# Altium PCB 滑板车模块 - 拼板.PcbDoc (part 2 of 8)
Units mm, origin at the board's own origin, x right, y up, seen from the top; angles counter-clockwise.
Board outline 16 x 13 mm, 2 copper layers (Top Layer, Bottom Layer); 420 components, 26 nets, 2088 pads, 620 vias.
Unrouted connection lines stored in the file: 114.
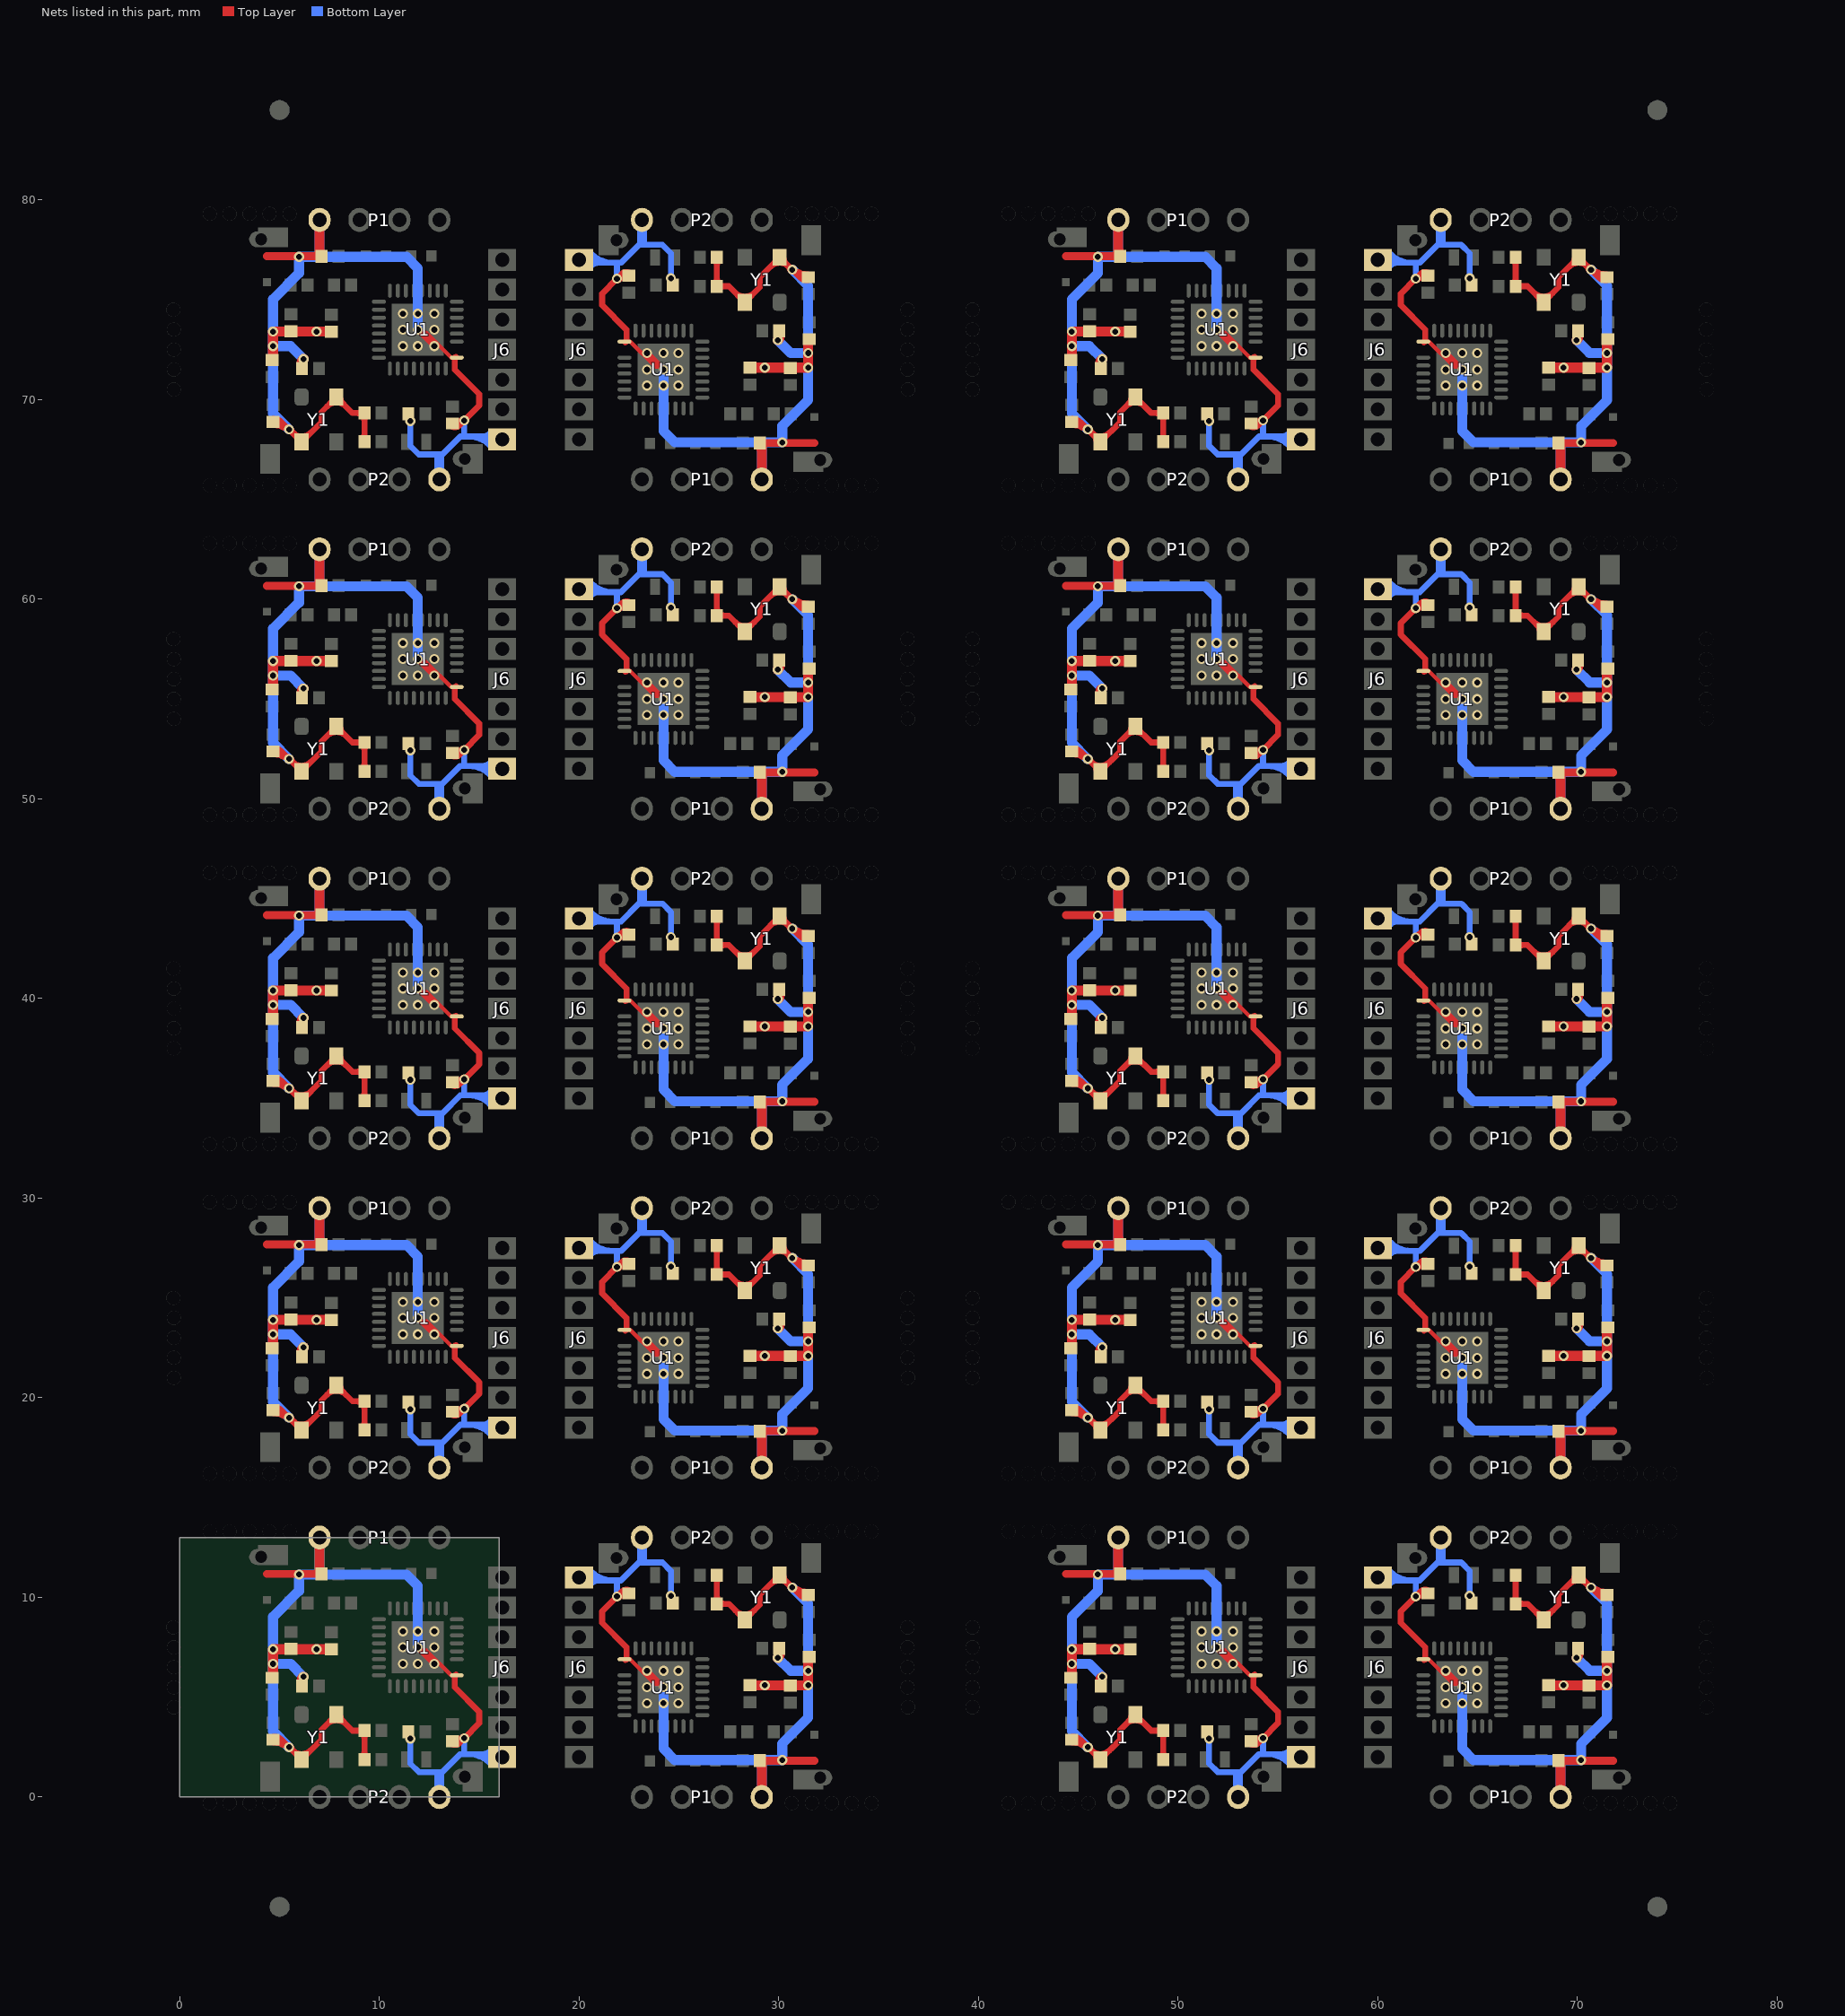
[diagram p2: the nets of this part, all layers, seen from the top]

## Via types
v1: diameter 0.5, hole 0.3, Top Layer to Bottom Layer, tented both sides, 620 vias

## Nets (pads, with @x,y where several pads share a name; then routed paths per layer and width w, separated by ;. In a path a pad name is that pad's centre, name@x,y a point inside that pad or via, vN(x,y) a via of type N, cw(c..) or ccw(c..) an arc to the next point about the centre after c; other vN are vias at no path point) (continued)
GND: C1.1 C2.2 C3.2 C4.1 C5.1 C6.2 C7.1 C9.2 C10.2 C12.2 J6.7 P1.4 P2.1 U1.25 XX1.2 Y1.2 Y1.4 | length 1444.6
  Top Layer w0.2: C7.1@6.034,5.753 ccw(c5.894,6.025) v1(6.2,6.025) 6.2,5.625 C7.1@6.125,5.55 ; C7.1@6.034,22.253 ccw(c5.894,22.525) v1(6.2,22.525) 6.2,22.125 C7.1@6.125,22.05 ; C7.1@6.034,38.753 ccw(c5.894,39.025) v1(6.2,39.025) 6.2,38.625 C7.1@6.125,38.55 ; C7.1@6.034,55.253 ccw(c5.894,55.525) v1(6.2,55.525) 6.2,55.125 C7.1@6.125,55.05 ; C7.1@6.034,71.753 ccw(c5.894,72.025) v1(6.2,72.025) 6.2,71.625 C7.1@6.125,71.55 ; v1@6.094,5.919 cw(c5.838,5.663) 6.2,5.663 cw(c6.562,5.663) v1@6.306,5.919 ; v1@6.094,22.419 cw(c5.838,22.163) 6.2,22.163 cw(c6.562,22.163) v1@6.306,22.419 ; v1@6.094,38.919 cw(c5.838,38.663) 6.2,38.663 cw(c6.562,38.663) v1@6.306,38.919 ; v1@6.094,55.419 cw(c5.838,55.163) 6.2,55.163 cw(c6.562,55.163) v1@6.306,55.419 ; v1@6.094,71.919 cw(c5.838,71.663) 6.2,71.663 cw(c6.562,71.663) v1@6.306,71.919 ; v1@6.2,5.877 ccw(c6.427,5.877) C7.1@6.266,5.716 ; v1@6.2,22.377 ccw(c6.427,22.377) C7.1@6.266,22.216 ; v1@6.2,38.877 ccw(c6.427,38.877) C7.1@6.266,38.716 ; v1@6.2,55.377 ccw(c6.427,55.377) C7.1@6.266,55.216 ; v1@6.2,71.877 ccw(c6.427,71.877) C7.1@6.266,71.716 ; v1(11.925,7.5) 12.075,7.35 12.341,7.35 13.591,6.1 13.775,6.1 U1.25@13.875,6.1 ; v1(11.925,24) 12.075,23.85 12.341,23.85 13.591,22.6 13.775,22.6 U1.25@13.875,22.6 ; v1(11.925,40.5) 12.075,40.35 12.341,40.35 13.591,39.1 13.775,39.1 U1.25@13.875,39.1 ; v1(11.925,57) 12.075,56.85 12.341,56.85 13.591,55.6 13.775,55.6 U1.25@13.875,55.6 ; v1(11.925,73.5) 12.075,73.35 12.341,73.35 13.591,72.1 13.775,72.1 U1.25@13.875,72.1 ; U1.25@22.275,6.9 22.375,6.9 22.559,6.9 23.809,5.65 24.075,5.65 v1(24.225,5.5) ; U1.25@22.275,23.4 22.375,23.4 22.559,23.4 23.809,22.15 24.075,22.15 v1(24.225,22) ; U1.25@22.275,39.9 22.375,39.9 22.559,39.9 23.809,38.65 24.075,38.65 v1(24.225,38.5) ; U1.25@22.275,56.4 22.375,56.4 22.559,56.4 23.809,55.15 24.075,55.15 v1(24.225,55) ; U1.25@22.275,72.9 22.375,72.9 22.559,72.9 23.809,71.65 24.075,71.65 v1(24.225,71.5) ; v1@29.844,7.081 ccw(c29.588,7.337) 29.95,7.337 ccw(c30.312,7.337) v1@30.056,7.081 ; v1@29.844,23.581 ccw(c29.588,23.837) 29.95,23.837 ccw(c30.312,23.837) v1@30.056,23.581 ; v1@29.844,40.081 ccw(c29.588,40.337) 29.95,40.337 ccw(c30.312,40.337) v1@30.056,40.081 ; v1@29.844,56.581 ccw(c29.588,56.837) 29.95,56.837 ccw(c30.312,56.837) v1@30.056,56.581 ; v1@29.844,73.081 ccw(c29.588,73.337) 29.95,73.337 ccw(c30.312,73.337) v1@30.056,73.081 ; C7.1@29.884,7.284 cw(c29.723,7.123) v1@29.95,7.123 ; C7.1@29.884,23.784 cw(c29.723,23.623) v1@29.95,23.623 ; C7.1@29.884,40.284 cw(c29.723,40.123) v1@29.95,40.123 ; C7.1@29.884,56.784 cw(c29.723,56.623) v1@29.95,56.623 ; C7.1@29.884,73.284 cw(c29.723,73.123) v1@29.95,73.123 ; C7.1@30.025,7.45 29.95,7.375 v1(29.95,6.975) cw(c30.256,6.975) C7.1@30.116,7.247 ; C7.1@30.025,23.95 29.95,23.875 v1(29.95,23.475) cw(c30.256,23.475) C7.1@30.116,23.747 ; C7.1@30.025,40.45 29.95,40.375 v1(29.95,39.975) cw(c30.256,39.975) C7.1@30.116,40.247 ; C7.1@30.025,56.95 29.95,56.875 v1(29.95,56.475) cw(c30.256,56.475) C7.1@30.116,56.747 ; C7.1@30.025,73.45 29.95,73.375 v1(29.95,72.975) cw(c30.256,72.975) C7.1@30.116,73.247 ; C7.1@46.034,5.753 ccw(c45.894,6.025) v1(46.2,6.025) 46.2,5.625 C7.1@46.125,5.55 ; C7.1@46.034,22.253 ccw(c45.894,22.525) v1(46.2,22.525) 46.2,22.125 C7.1@46.125,22.05 ; C7.1@46.034,38.753 ccw(c45.894,39.025) v1(46.2,39.025) 46.2,38.625 C7.1@46.125,38.55 ; C7.1@46.034,55.253 ccw(c45.894,55.525) v1(46.2,55.525) 46.2,55.125 C7.1@46.125,55.05 ; C7.1@46.034,71.753 ccw(c45.894,72.025) v1(46.2,72.025) 46.2,71.625 C7.1@46.125,71.55 ; v1@46.094,5.919 cw(c45.838,5.663) 46.2,5.663 cw(c46.562,5.663) v1@46.306,5.919 ; v1@46.094,22.419 cw(c45.838,22.163) 46.2,22.163 cw(c46.562,22.163) v1@46.306,22.419 ; v1@46.094,38.919 cw(c45.838,38.663) 46.2,38.663 cw(c46.562,38.663) v1@46.306,38.919 ; v1@46.094,55.419 cw(c45.838,55.163) 46.2,55.163 cw(c46.562,55.163) v1@46.306,55.419 ; v1@46.094,71.919 cw(c45.838,71.663) 46.2,71.663 cw(c46.562,71.663) v1@46.306,71.919 ; v1@46.2,5.877 ccw(c46.427,5.877) C7.1@46.266,5.716 ; v1@46.2,22.377 ccw(c46.427,22.377) C7.1@46.266,22.216 ; v1@46.2,38.877 ccw(c46.427,38.877) C7.1@46.266,38.716 ; v1@46.2,55.377 ccw(c46.427,55.377) C7.1@46.266,55.216 ; v1@46.2,71.877 ccw(c46.427,71.877) C7.1@46.266,71.716 ; v1(51.925,7.5) 52.075,7.35 52.341,7.35 53.591,6.1 53.775,6.1 U1.25@53.875,6.1 ; v1(51.925,24) 52.075,23.85 52.341,23.85 53.591,22.6 53.775,22.6 U1.25@53.875,22.6 ; v1(51.925,40.5) 52.075,40.35 52.341,40.35 53.591,39.1 53.775,39.1 U1.25@53.875,39.1 ; v1(51.925,57) 52.075,56.85 52.341,56.85 53.591,55.6 53.775,55.6 U1.25@53.875,55.6 ; v1(51.925,73.5) 52.075,73.35 52.341,73.35 53.591,72.1 53.775,72.1 U1.25@53.875,72.1 ; U1.25@62.275,6.9 62.375,6.9 62.559,6.9 63.809,5.65 64.075,5.65 v1(64.225,5.5) ; U1.25@62.275,23.4 62.375,23.4 62.559,23.4 63.809,22.15 64.075,22.15 v1(64.225,22) ; U1.25@62.275,39.9 62.375,39.9 62.559,39.9 63.809,38.65 64.075,38.65 v1(64.225,38.5) ; U1.25@62.275,56.4 62.375,56.4 62.559,56.4 63.809,55.15 64.075,55.15 v1(64.225,55) ; U1.25@62.275,72.9 62.375,72.9 62.559,72.9 63.809,71.65 64.075,71.65 v1(64.225,71.5) ; v1@69.844,7.081 ccw(c69.588,7.337) 69.95,7.337 ccw(c70.312,7.337) v1@70.056,7.081 ; v1@69.844,23.581 ccw(c69.588,23.837) 69.95,23.837 ccw(c70.312,23.837) v1@70.056,23.581 ; v1@69.844,40.081 ccw(c69.588,40.337) 69.95,40.337 ccw(c70.312,40.337) v1@70.056,40.081 ; v1@69.844,56.581 ccw(c69.588,56.837) 69.95,56.837 ccw(c70.312,56.837) v1@70.056,56.581 ; v1@69.844,73.081 ccw(c69.588,73.337) 69.95,73.337 ccw(c70.312,73.337) v1@70.056,73.081 ; C7.1@69.884,7.284 cw(c69.723,7.123) v1@69.95,7.123 ; C7.1@69.884,23.784 cw(c69.723,23.623) v1@69.95,23.623 ; C7.1@69.884,40.284 cw(c69.723,40.123) v1@69.95,40.123 ; C7.1@69.884,56.784 cw(c69.723,56.623) v1@69.95,56.623 ; C7.1@69.884,73.284 cw(c69.723,73.123) v1@69.95,73.123 ; C7.1@70.025,7.45 69.95,7.375 v1(69.95,6.975) cw(c70.256,6.975) C7.1@70.116,7.247 ; C7.1@70.025,23.95 69.95,23.875 v1(69.95,23.475) cw(c70.256,23.475) C7.1@70.116,23.747 ; C7.1@70.025,40.45 69.95,40.375 v1(69.95,39.975) cw(c70.256,39.975) C7.1@70.116,40.247 ; C7.1@70.025,56.95 69.95,56.875 v1(69.95,56.475) cw(c70.256,56.475) C7.1@70.116,56.747 ; C7.1@70.025,73.45 69.95,73.375 v1(69.95,72.975) cw(c70.256,72.975) C7.1@70.116,73.247
  Top Layer w0.3: C3.2@4.675,2.875 5.1,2.875 Y1.2@6.1,1.875 7.1,2.875 7.1,3.375 Y1.4@7.85,4.125 8.65,3.325 C5.1@9.25,3.325 C1.1@9.25,1.885 ; C3.2@4.675,19.375 5.1,19.375 Y1.2@6.1,18.375 7.1,19.375 7.1,19.875 Y1.4@7.85,20.625 8.65,19.825 C5.1@9.25,19.825 C1.1@9.25,18.385 ; C3.2@4.675,35.875 5.1,35.875 Y1.2@6.1,34.875 7.1,35.875 7.1,36.375 Y1.4@7.85,37.125 8.65,36.325 C5.1@9.25,36.325 C1.1@9.25,34.885 ; C3.2@4.675,52.375 5.1,52.375 Y1.2@6.1,51.375 7.1,52.375 7.1,52.875 Y1.4@7.85,53.625 8.65,52.825 C5.1@9.25,52.825 C1.1@9.25,51.385 ; C3.2@4.675,68.875 5.1,68.875 Y1.2@6.1,67.875 7.1,68.875 7.1,69.375 Y1.4@7.85,70.125 8.65,69.325 C5.1@9.25,69.325 C1.1@9.25,67.885 ; C3.2@4.7,2.725 cw(c4.7,1.397) v1@5.639,2.336 ; C3.2@4.7,3.025 cw(c4.7,2.421) 5.127,2.848 ; C3.2@4.7,19.225 cw(c4.7,17.897) v1@5.639,18.836 ; C3.2@4.7,19.525 cw(c4.7,18.921) 5.127,19.348 ; C3.2@4.7,35.725 cw(c4.7,34.397) v1@5.639,35.336 ; C3.2@4.7,36.025 cw(c4.7,35.421) 5.127,35.848 ; C3.2@4.7,52.225 cw(c4.7,50.897) v1@5.639,51.836 ; C3.2@4.7,52.525 cw(c4.7,51.921) 5.127,52.348 ; C3.2@4.7,68.725 cw(c4.7,67.397) v1@5.639,68.336 ; C3.2@4.7,69.025 cw(c4.7,68.421) 5.127,68.848 ; C3.2@4.806,2.769 cw(c5.062,2.513) 5.062,2.875 cw(c5.062,3.237) C3.2@4.806,2.981 ; C3.2@4.806,19.269 cw(c5.062,19.013) 5.062,19.375 cw(c5.062,19.737) C3.2@4.806,19.481 ; C3.2@4.806,35.769 cw(c5.062,35.513) 5.062,35.875 cw(c5.062,36.237) C3.2@4.806,35.981 ; C3.2@4.806,52.269 cw(c5.062,52.013) 5.062,52.375 cw(c5.062,52.737) C3.2@4.806,52.481 ; C3.2@4.806,68.769 cw(c5.062,68.513) 5.062,68.875 cw(c5.062,69.237) C3.2@4.806,68.981 ; 5.11,2.641 ccw(c5.334,3.028) v1@5.449,2.597 ; 5.11,19.141 ccw(c5.334,19.528) v1@5.449,19.097 ; 5.11,35.641 ccw(c5.334,36.028) v1@5.449,35.597 ; 5.11,52.141 ccw(c5.334,52.528) v1@5.449,52.097 ; 5.11,68.641 ccw(c5.334,69.028) v1@5.449,68.597 ; v1@5.572,2.526 ccw(c5.993,2.639) Y1.2@5.775,2.261 ; v1@5.572,19.026 ccw(c5.993,19.139) Y1.2@5.775,18.761 ; v1@5.572,35.526 ccw(c5.993,35.639) Y1.2@5.775,35.261 ; v1@5.572,52.026 ccw(c5.993,52.139) Y1.2@5.775,51.761 ; v1@5.572,68.526 ccw(c5.993,68.639) Y1.2@5.775,68.261 ; v1@5.631,2.344 ccw(c6.1,2.814) 6.1,2.15 ccw(c6.1,2.814) 6.569,2.344 ; v1@5.631,18.844 ccw(c6.1,19.314) 6.1,18.65 ccw(c6.1,19.314) 6.569,18.844 ; v1@5.631,35.344 ccw(c6.1,35.814) 6.1,35.15 ccw(c6.1,35.814) 6.569,35.344 ; v1@5.631,51.844 ccw(c6.1,52.314) 6.1,51.65 ccw(c6.1,52.314) 6.569,51.844 ; v1@5.631,68.344 ccw(c6.1,68.814) 6.1,68.15 ccw(c6.1,68.814) 6.569,68.344 ; Y1.2@5.812,2.163 cw(c5.598,1.95) Y1.2@5.9,1.95 ; Y1.2@5.812,18.663 cw(c5.598,18.45) Y1.2@5.9,18.45 ; Y1.2@5.812,35.163 cw(c5.598,34.95) Y1.2@5.9,34.95 ; Y1.2@5.812,51.663 cw(c5.598,51.45) Y1.2@5.9,51.45 ; Y1.2@5.812,68.163 cw(c5.598,67.95) Y1.2@5.9,67.95 ; Y1.2@6.3,1.95 cw(c6.602,1.95) Y1.2@6.388,2.163 ; Y1.2@6.3,18.45 cw(c6.602,18.45) Y1.2@6.388,18.663 ; Y1.2@6.3,34.95 cw(c6.602,34.95) Y1.2@6.388,35.163 ; Y1.2@6.3,51.45 cw(c6.602,51.45) Y1.2@6.388,51.663 ; Y1.2@6.3,67.95 cw(c6.602,67.95) Y1.2@6.388,68.163 ; 7.381,3.656 cw(c7.85,3.186) 7.85,3.85 cw(c7.85,3.186) 8.319,3.656 ; 7.381,20.156 cw(c7.85,19.686) 7.85,20.35 cw(c7.85,19.686) 8.319,20.156 ; 7.381,36.656 cw(c7.85,36.186) 7.85,36.85 cw(c7.85,36.186) 8.319,36.656 ; 7.381,53.156 cw(c7.85,52.686) 7.85,53.35 cw(c7.85,52.686) 8.319,53.156 ; 7.381,69.656 cw(c7.85,69.186) 7.85,69.85 cw(c7.85,69.186) 8.319,69.656 ; Y1.4@7.562,3.837 ccw(c7.348,4.05) Y1.4@7.65,4.05 ; Y1.4@7.562,20.337 ccw(c7.348,20.55) Y1.4@7.65,20.55 ; Y1.4@7.562,36.837 ccw(c7.348,37.05) Y1.4@7.65,37.05 ; Y1.4@7.562,53.337 ccw(c7.348,53.55) Y1.4@7.65,53.55 ; Y1.4@7.562,69.837 ccw(c7.348,70.05) Y1.4@7.65,70.05 ; Y1.4@8.05,4.05 ccw(c8.352,4.05) Y1.4@8.138,3.837 ; Y1.4@8.05,20.55 ccw(c8.352,20.55) Y1.4@8.138,20.337 ; Y1.4@8.05,37.05 ccw(c8.352,37.05) Y1.4@8.138,36.837 ; Y1.4@8.05,53.55 ccw(c8.352,53.55) Y1.4@8.138,53.337 ; Y1.4@8.05,70.05 ccw(c8.352,70.05) Y1.4@8.138,69.837 ; C1.1@9.144,2.016 ccw(c8.888,2.272) 9.25,2.272 ccw(c9.612,2.272) C1.1@9.356,2.016 ; C5.1@9.144,3.194 cw(c8.888,2.938) 9.25,2.938 cw(c9.612,2.938) C5.1@9.356,3.194 ; C5.1@9.144,3.219 ccw(c8.888,2.963) 8.888,3.325 ccw(c8.888,3.687) C5.1@9.144,3.431 ; C1.1@9.144,18.516 ccw(c8.888,18.772) 9.25,18.772 ccw(c9.612,18.772) C1.1@9.356,18.516 ; C5.1@9.144,19.694 cw(c8.888,19.438) 9.25,19.438 cw(c9.612,19.438) C5.1@9.356,19.694 ; C5.1@9.144,19.719 ccw(c8.888,19.463) 8.888,19.825 ccw(c8.888,20.187) C5.1@9.144,19.931 ; C1.1@9.144,35.016 ccw(c8.888,35.272) 9.25,35.272 ccw(c9.612,35.272) C1.1@9.356,35.016 ; C5.1@9.144,36.194 cw(c8.888,35.938) 9.25,35.938 cw(c9.612,35.938) C5.1@9.356,36.194 ; C5.1@9.144,36.219 ccw(c8.888,35.963) 8.888,36.325 ccw(c8.888,36.687) C5.1@9.144,36.431 ; C1.1@9.144,51.516 ccw(c8.888,51.772) 9.25,51.772 ccw(c9.612,51.772) C1.1@9.356,51.516 ; C5.1@9.144,52.694 cw(c8.888,52.438) 9.25,52.438 cw(c9.612,52.438) C5.1@9.356,52.694 ; C5.1@9.144,52.719 ccw(c8.888,52.463) 8.888,52.825 ccw(c8.888,53.187) C5.1@9.144,52.931 ; C1.1@9.144,68.016 ccw(c8.888,68.272) 9.25,68.272 ccw(c9.612,68.272) C1.1@9.356,68.016 ; C5.1@9.144,69.194 cw(c8.888,68.938) 9.25,68.938 cw(c9.612,68.938) C5.1@9.356,69.194 ; C5.1@9.144,69.219 ccw(c8.888,68.963) 8.888,69.325 ccw(c8.888,69.687) C5.1@9.144,69.431 ; v1@12.075,7.35 v1(12.75,6.675) ; v1@12.075,23.85 v1(12.75,23.175) ; v1@12.075,40.35 v1(12.75,39.675) ; v1@12.075,56.85 v1(12.75,56.175) ; v1@12.075,73.35 v1(12.75,72.675) ; C2.2@13.583,2.681 ccw(c13.781,2.937) 14.009,2.709 ; C2.2@13.583,19.181 ccw(c13.781,19.437) 14.009,19.209 ; C2.2@13.583,35.681 ccw(c13.781,35.937) 14.009,35.709 ; C2.2@13.583,52.181 ccw(c13.781,52.437) 14.009,52.209 ; C2.2@13.583,68.681 ccw(c13.781,68.937) 14.009,68.709 ; C2.2@13.767,2.919 ccw(c13.991,3.21) v1(14.251,2.95) ; C2.2@13.767,19.419 ccw(c13.991,19.71) v1(14.251,19.45) ; C2.2@13.767,35.919 ccw(c13.991,36.21) v1(14.251,35.95) ; C2.2@13.767,52.419 ccw(c13.991,52.71) v1(14.251,52.45) ; C2.2@13.767,68.919 ccw(c13.991,69.21) v1(14.251,68.95) ; 13.775,5.979 cw(c13.996,5.979) U1.25@13.84,6.135 ; U1.25@13.775,6.1 13.775,5.5 15,4.275 15,3.699 v1(14.251,2.95) ; 13.775,22.479 cw(c13.996,22.479) U1.25@13.84,22.635 ; U1.25@13.775,22.6 13.775,22 15,20.775 15,20.199 v1(14.251,19.45) ; 13.775,38.979 cw(c13.996,38.979) U1.25@13.84,39.135 ; U1.25@13.775,39.1 13.775,38.5 15,37.275 15,36.699 v1(14.251,35.95) ; 13.775,55.479 cw(c13.996,55.479) U1.25@13.84,55.635 ; U1.25@13.775,55.6 13.775,55 15,53.775 15,53.199 v1(14.251,52.45) ; 13.775,71.979 cw(c13.996,71.979) U1.25@13.84,72.135 ; U1.25@13.775,72.1 13.775,71.5 15,70.275 15,69.699 v1(14.251,68.95) 14.101,68.8 C2.2@13.65,68.8 ccw(c13.65,69.546) v1@14.18,69.021 ; C2.2@13.781,2.694 cw(c14.037,2.438) 14.037,2.8 cw(c14.037,3.162) C2.2@13.781,2.906 ; C2.2@13.781,19.194 cw(c14.037,18.938) 14.037,19.3 cw(c14.037,19.662) C2.2@13.781,19.406 ; C2.2@13.781,35.694 cw(c14.037,35.438) 14.037,35.8 cw(c14.037,36.162) C2.2@13.781,35.906 ; C2.2@13.781,52.194 cw(c14.037,51.938) 14.037,52.3 cw(c14.037,52.662) C2.2@13.781,52.406 ; C2.2@13.781,68.694 cw(c14.037,68.438) 14.037,68.8 cw(c14.037,69.162) C2.2@13.781,68.906 ; C2.2@13.831,2.745 ccw(c13.69,3.274) v1@14.164,3 ; C2.2@13.831,19.245 ccw(c13.69,19.774) v1@14.164,19.5 ; C2.2@13.831,35.745 ccw(c13.69,36.274) v1@14.164,36 ; C2.2@13.831,52.245 ccw(c13.69,52.774) v1@14.164,52.5 ; C2.2@13.831,68.745 ccw(c13.69,69.274) v1@14.164,69 ; C2.2@13.887,2.76 ccw(c13.779,3.163) v1@14.16,2.991 ; C2.2@13.887,19.26 ccw(c13.779,19.663) v1@14.16,19.491 ; C2.2@13.887,35.76 ccw(c13.779,36.163) v1@14.16,35.991 ; C2.2@13.887,52.26 ccw(c13.779,52.663) v1@14.16,52.491 ; C2.2@13.887,68.76 ccw(c13.779,69.163) v1@14.16,68.991 ; C2.2@13.901,2.646 ccw(c13.629,3.117) v1@14.154,2.976 ; C2.2@13.901,19.146 ccw(c13.629,19.617) v1@14.154,19.476 ; C2.2@13.901,35.646 ccw(c13.629,36.117) v1@14.154,35.976 ; C2.2@13.901,52.146 ccw(c13.629,52.617) v1@14.154,52.476 ; C2.2@13.901,68.646 ccw(c13.629,69.117) v1@14.154,68.976 ; C2.2@13.965,2.683 ccw(c13.775,3.012) v1@14.152,2.963 ; C2.2@13.965,19.183 ccw(c13.775,19.512) v1@14.152,19.463 ; C2.2@13.965,35.683 ccw(c13.775,36.012) v1@14.152,35.963 ; C2.2@13.965,52.183 ccw(c13.775,52.512) v1@14.152,52.463 ; C2.2@13.965,68.683 ccw(c13.775,69.012) v1@14.152,68.963 ; v1@14.18,3.021 cw(c13.65,3.546) C2.2@13.65,2.8 14.101,2.8 v1(14.251,2.95) ; v1@14.18,19.521 cw(c13.65,20.046) C2.2@13.65,19.3 14.101,19.3 v1(14.251,19.45) ; v1@14.18,36.021 cw(c13.65,36.546) C2.2@13.65,35.8 14.101,35.8 v1(14.251,35.95) ; v1@14.18,52.521 cw(c13.65,53.046) C2.2@13.65,52.3 14.101,52.3 v1(14.251,52.45) ; v1@21.97,9.979 cw(c22.5,9.454) C2.2@22.5,10.2 22.049,10.2 v1(21.899,10.05) ; v1@21.97,26.479 cw(c22.5,25.954) C2.2@22.5,26.7 22.049,26.7 v1(21.899,26.55) ; v1@21.97,42.979 cw(c22.5,42.454) C2.2@22.5,43.2 22.049,43.2 v1(21.899,43.05) ; v1@21.97,59.479 cw(c22.5,58.954) C2.2@22.5,59.7 22.049,59.7 v1(21.899,59.55) ; v1@21.97,75.979 cw(c22.5,75.454) C2.2@22.5,76.2 22.049,76.2 v1(21.899,76.05) ; v1@21.986,10 cw(c22.46,9.726) C2.2@22.319,10.255 ; v1@21.986,26.5 cw(c22.46,26.226) C2.2@22.319,26.755 ; v1@21.986,43 cw(c22.46,42.726) C2.2@22.319,43.255 ; v1@21.986,59.5 cw(c22.46,59.226) C2.2@22.319,59.755 ; v1@21.986,76 cw(c22.46,75.726) C2.2@22.319,76.255 ; v1@21.99,10.009 cw(c22.371,9.837) C2.2@22.263,10.24 ; v1@21.99,26.509 cw(c22.371,26.337) C2.2@22.263,26.74 ; v1@21.99,43.009 cw(c22.371,42.837) C2.2@22.263,43.24 ; v1@21.99,59.509 cw(c22.371,59.337) C2.2@22.263,59.74 ; v1@21.99,76.009 cw(c22.371,75.837) C2.2@22.263,76.24 ; v1@21.996,10.024 cw(c22.521,9.883) C2.2@22.249,10.354 ; v1@21.996,26.524 cw(c22.521,26.383) C2.2@22.249,26.854 ; v1@21.996,43.024 cw(c22.521,42.883) C2.2@22.249,43.354 ; v1@21.996,59.524 cw(c22.521,59.383) C2.2@22.249,59.854 ; v1@21.996,76.024 cw(c22.521,75.883) C2.2@22.249,76.354 ; v1@21.998,10.037 cw(c22.375,9.988) C2.2@22.185,10.317 ; v1@21.998,26.537 cw(c22.375,26.488) C2.2@22.185,26.817 ; v1@21.998,43.037 cw(c22.375,42.988) C2.2@22.185,43.317 ; v1@21.998,59.537 cw(c22.375,59.488) C2.2@22.185,59.817 ; v1@21.998,76.037 cw(c22.375,75.988) C2.2@22.185,76.317 ; 22.141,10.291 cw(c22.369,10.063) C2.2@22.567,10.319 ; 22.141,26.791 cw(c22.369,26.563) C2.2@22.567,26.819 ; 22.141,43.291 cw(c22.369,43.063) C2.2@22.567,43.319 ; 22.141,59.791 cw(c22.369,59.563) C2.2@22.567,59.819 ; 22.141,76.291 cw(c22.369,76.063) C2.2@22.567,76.319 ; U1.25@22.31,6.865 ccw(c22.154,7.021) 22.375,7.021 ; U1.25@22.31,23.365 ccw(c22.154,23.521) 22.375,23.521 ; U1.25@22.31,39.865 ccw(c22.154,40.021) 22.375,40.021 ; U1.25@22.31,56.365 ccw(c22.154,56.521) 22.375,56.521 ; U1.25@22.31,72.865 ccw(c22.154,73.021) 22.375,73.021 ; C2.2@22.369,10.094 ccw(c22.113,9.838) 22.113,10.2 ccw(c22.113,10.562) C2.2@22.369,10.306 ; C2.2@22.369,26.594 ccw(c22.113,26.338) 22.113,26.7 ccw(c22.113,27.062) C2.2@22.369,26.806 ; C2.2@22.369,43.094 ccw(c22.113,42.838) 22.113,43.2 ccw(c22.113,43.562) C2.2@22.369,43.306 ; C2.2@22.369,59.594 ccw(c22.113,59.338) 22.113,59.7 ccw(c22.113,60.062) C2.2@22.369,59.806 ; C2.2@22.369,76.094 ccw(c22.113,75.838) 22.113,76.2 ccw(c22.113,76.562) C2.2@22.369,76.306 ; U1.25@22.375,6.9 22.375,7.5 21.15,8.725 21.15,9.301 v1(21.899,10.05) ; U1.25@22.375,23.4 22.375,24 21.15,25.225 21.15,25.801 v1(21.899,26.55) ; U1.25@22.375,39.9 22.375,40.5 21.15,41.725 21.15,42.301 v1(21.899,43.05) ; U1.25@22.375,56.4 22.375,57 21.15,58.225 21.15,58.801 v1(21.899,59.55) ; U1.25@22.375,72.9 22.375,73.5 21.15,74.725 21.15,75.301 v1(21.899,76.05) ; C2.2@22.383,10.081 ccw(c22.159,9.79) v1(21.899,10.05) ; C2.2@22.383,26.581 ccw(c22.159,26.29) v1(21.899,26.55) ; C2.2@22.383,43.081 ccw(c22.159,42.79) v1(21.899,43.05) ; C2.2@22.383,59.581 ccw(c22.159,59.29) v1(21.899,59.55) ; C2.2@22.383,76.081 ccw(c22.159,75.79) v1(21.899,76.05) ; v1(23.4,6.325) v1@24.075,5.65 ; v1(23.4,22.825) v1@24.075,22.15 ; v1(23.4,39.325) v1@24.075,38.65 ; v1(23.4,55.825) v1@24.075,55.15 ; v1(23.4,72.325) v1@24.075,71.65 ; C5.1@26.794,9.806 ccw(c26.538,10.062) 26.9,10.062 ccw(c27.262,10.062) C5.1@27.006,9.806 ; C1.1@26.794,10.984 cw(c26.538,10.728) 26.9,10.728 cw(c27.262,10.728) C1.1@27.006,10.984 ; C5.1@26.794,26.306 ccw(c26.538,26.562) 26.9,26.562 ccw(c27.262,26.562) C5.1@27.006,26.306 ; C1.1@26.794,27.484 cw(c26.538,27.228) 26.9,27.228 cw(c27.262,27.228) C1.1@27.006,27.484 ; C5.1@26.794,42.806 ccw(c26.538,43.062) 26.9,43.062 ccw(c27.262,43.062) C5.1@27.006,42.806 ; C1.1@26.794,43.984 cw(c26.538,43.728) 26.9,43.728 cw(c27.262,43.728) C1.1@27.006,43.984 ; C5.1@26.794,59.306 ccw(c26.538,59.562) 26.9,59.562 ccw(c27.262,59.562) C5.1@27.006,59.306 ; C1.1@26.794,60.484 cw(c26.538,60.228) 26.9,60.228 cw(c27.262,60.228) C1.1@27.006,60.484 ; C5.1@26.794,75.806 ccw(c26.538,76.062) 26.9,76.062 ccw(c27.262,76.062) C5.1@27.006,75.806 ; C1.1@26.794,76.984 cw(c26.538,76.728) 26.9,76.728 cw(c27.262,76.728) C1.1@27.006,76.984 ; C1.1@26.9,11.115 C5.1@26.9,9.675 27.5,9.675 Y1.4@28.3,8.875 29.05,9.625 29.05,10.125 Y1.2@30.05,11.125 31.05,10.125 C3.2@31.475,10.125 ; C1.1@26.9,27.615 C5.1@26.9,26.175 27.5,26.175 Y1.4@28.3,25.375 29.05,26.125 29.05,26.625 Y1.2@30.05,27.625 31.05,26.625 C3.2@31.475,26.625 ; C1.1@26.9,44.115 C5.1@26.9,42.675 27.5,42.675 Y1.4@28.3,41.875 29.05,42.625 29.05,43.125 Y1.2@30.05,44.125 31.05,43.125 C3.2@31.475,43.125 ; C1.1@26.9,60.615 C5.1@26.9,59.175 27.5,59.175 Y1.4@28.3,58.375 29.05,59.125 29.05,59.625 Y1.2@30.05,60.625 31.05,59.625 C3.2@31.475,59.625 ; C1.1@26.9,77.115 C5.1@26.9,75.675 27.5,75.675 Y1.4@28.3,74.875 29.05,75.625 29.05,76.125 Y1.2@30.05,77.125 31.05,76.125 C3.2@31.475,76.125 ; C5.1@27.006,9.569 cw(c27.262,9.313) 27.262,9.675 cw(c27.262,10.037) C5.1@27.006,9.781 ; C5.1@27.006,26.069 cw(c27.262,25.813) 27.262,26.175 cw(c27.262,26.537) C5.1@27.006,26.281 ; C5.1@27.006,42.569 cw(c27.262,42.313) 27.262,42.675 cw(c27.262,43.037) C5.1@27.006,42.781 ; C5.1@27.006,59.069 cw(c27.262,58.813) 27.262,59.175 cw(c27.262,59.537) C5.1@27.006,59.281 ; C5.1@27.006,75.569 cw(c27.262,75.313) 27.262,75.675 cw(c27.262,76.037) C5.1@27.006,75.781 ; 27.831,9.344 ccw(c28.3,9.814) 28.3,9.15 ccw(c28.3,9.814) 28.769,9.344 ; 27.831,25.844 ccw(c28.3,26.314) 28.3,25.65 ccw(c28.3,26.314) 28.769,25.844 ; 27.831,42.344 ccw(c28.3,42.814) 28.3,42.15 ccw(c28.3,42.814) 28.769,42.344 ; 27.831,58.844 ccw(c28.3,59.314) 28.3,58.65 ccw(c28.3,59.314) 28.769,58.844 ; 27.831,75.344 ccw(c28.3,75.814) 28.3,75.15 ccw(c28.3,75.814) 28.769,75.344 ; Y1.4@28.012,9.163 cw(c27.798,8.95) Y1.4@28.1,8.95 ; Y1.4@28.012,25.663 cw(c27.798,25.45) Y1.4@28.1,25.45 ; Y1.4@28.012,42.163 cw(c27.798,41.95) Y1.4@28.1,41.95 ; Y1.4@28.012,58.663 cw(c27.798,58.45) Y1.4@28.1,58.45 ; Y1.4@28.012,75.163 cw(c27.798,74.95) Y1.4@28.1,74.95 ; Y1.4@28.5,8.95 cw(c28.802,8.95) Y1.4@28.588,9.163 ; Y1.4@28.5,25.45 cw(c28.802,25.45) Y1.4@28.588,25.663 ; Y1.4@28.5,41.95 cw(c28.802,41.95) Y1.4@28.588,42.163 ; Y1.4@28.5,58.45 cw(c28.802,58.45) Y1.4@28.588,58.663 ; Y1.4@28.5,74.95 cw(c28.802,74.95) Y1.4@28.588,75.163 ; 29.581,10.656 cw(c30.05,10.186) 30.05,10.85 cw(c30.05,10.186) v1@30.519,10.656 ; 29.581,27.156 cw(c30.05,26.686) 30.05,27.35 cw(c30.05,26.686) v1@30.519,27.156 ; 29.581,43.656 cw(c30.05,43.186) 30.05,43.85 cw(c30.05,43.186) v1@30.519,43.656 ; 29.581,60.156 cw(c30.05,59.686) 30.05,60.35 cw(c30.05,59.686) v1@30.519,60.156 ; 29.581,76.656 cw(c30.05,76.186) 30.05,76.85 cw(c30.05,76.186) v1@30.519,76.656 ; Y1.2@29.762,10.837 ccw(c29.548,11.05) Y1.2@29.85,11.05 ; Y1.2@29.762,27.337 ccw(c29.548,27.55) Y1.2@29.85,27.55 ; Y1.2@29.762,43.837 ccw(c29.548,44.05) Y1.2@29.85,44.05 ; Y1.2@29.762,60.337 ccw(c29.548,60.55) Y1.2@29.85,60.55 ; Y1.2@29.762,76.837 ccw(c29.548,77.05) Y1.2@29.85,77.05 ; Y1.2@30.25,11.05 ccw(c30.552,11.05) Y1.2@30.338,10.837 ; Y1.2@30.25,27.55 ccw(c30.552,27.55) Y1.2@30.338,27.337 ; Y1.2@30.25,44.05 ccw(c30.552,44.05) Y1.2@30.338,43.837 ; Y1.2@30.25,60.55 ccw(c30.552,60.55) Y1.2@30.338,60.337 ; Y1.2@30.25,77.05 ccw(c30.552,77.05) Y1.2@30.338,76.837 ; Y1.2@30.375,10.739 cw(c30.157,10.361) v1@30.578,10.474 ; Y1.2@30.375,27.239 cw(c30.157,26.861) v1@30.578,26.974 ; Y1.2@30.375,43.739 cw(c30.157,43.361) v1@30.578,43.474 ; Y1.2@30.375,60.239 cw(c30.157,59.861) v1@30.578,59.974 ; Y1.2@30.375,76.739 cw(c30.157,76.361) v1@30.578,76.474 ; v1@30.511,10.664 ccw(c31.45,11.603) C3.2@31.45,10.275 ; v1@30.511,27.164 ccw(c31.45,28.103) C3.2@31.45,26.775 ; v1@30.511,43.664 ccw(c31.45,44.603) C3.2@31.45,43.275 ; v1@30.511,60.164 ccw(c31.45,61.103) C3.2@31.45,59.775 ; v1@30.511,76.664 ccw(c31.45,77.603) C3.2@31.45,76.275 ; v1@30.701,10.403 cw(c30.816,9.972) 31.04,10.359 ; v1@30.701,26.903 cw(c30.816,26.472) 31.04,26.859 ; v1@30.701,43.403 cw(c30.816,42.972) 31.04,43.359 ; v1@30.701,59.903 cw(c30.816,59.472) 31.04,59.859 ; v1@30.701,76.403 cw(c30.816,75.972) 31.04,76.359 ; 31.023,10.152 ccw(c31.45,10.579) C3.2@31.45,9.975 ; 31.023,26.652 ccw(c31.45,27.079) C3.2@31.45,26.475 ; 31.023,43.152 ccw(c31.45,43.579) C3.2@31.45,42.975 ; 31.023,59.652 ccw(c31.45,60.079) C3.2@31.45,59.475 ; 31.023,76.152 ccw(c31.45,76.579) C3.2@31.45,75.975 ; C3.2@31.344,10.019 ccw(c31.088,9.763) 31.088,10.125 ccw(c31.088,10.487) C3.2@31.344,10.231 ; C3.2@31.344,26.519 ccw(c31.088,26.263) 31.088,26.625 ccw(c31.088,26.987) C3.2@31.344,26.731 ; C3.2@31.344,43.019 ccw(c31.088,42.763) 31.088,43.125 ccw(c31.088,43.487) C3.2@31.344,43.231 ; C3.2@31.344,59.519 ccw(c31.088,59.263) 31.088,59.625 ccw(c31.088,59.987) C3.2@31.344,59.731 ; C3.2@31.344,76.019 ccw(c31.088,75.763) 31.088,76.125 ccw(c31.088,76.487) C3.2@31.344,76.231 ; C3.2@44.675,2.875 45.1,2.875 Y1.2@46.1,1.875 47.1,2.875 47.1,3.375 Y1.4@47.85,4.125 48.65,3.325 C5.1@49.25,3.325 C1.1@49.25,1.885 ; C3.2@44.675,19.375 45.1,19.375 Y1.2@46.1,18.375 47.1,19.375 47.1,19.875 Y1.4@47.85,20.625 48.65,19.825 C5.1@49.25,19.825 C1.1@49.25,18.385 ; C3.2@44.675,35.875 45.1,35.875 Y1.2@46.1,34.875 47.1,35.875 47.1,36.375 Y1.4@47.85,37.125 48.65,36.325 C5.1@49.25,36.325 C1.1@49.25,34.885 ; C3.2@44.675,52.375 45.1,52.375 Y1.2@46.1,51.375 47.1,52.375 47.1,52.875 Y1.4@47.85,53.625 48.65,52.825 C5.1@49.25,52.825 C1.1@49.25,51.385 ; C3.2@44.675,68.875 45.1,68.875 Y1.2@46.1,67.875 47.1,68.875 47.1,69.375 Y1.4@47.85,70.125 48.65,69.325 C5.1@49.25,69.325 C1.1@49.25,67.885 ; C3.2@44.7,2.725 cw(c44.7,1.397) v1@45.639,2.336 ; C3.2@44.7,3.025 cw(c44.7,2.421) 45.127,2.848 ; C3.2@44.7,19.225 cw(c44.7,17.897) v1@45.639,18.836 ; C3.2@44.7,19.525 cw(c44.7,18.921) 45.127,19.348 ; C3.2@44.7,35.725 cw(c44.7,34.397) v1@45.639,35.336 ; C3.2@44.7,36.025 cw(c44.7,35.421) 45.127,35.848 ; C3.2@44.7,52.225 cw(c44.7,50.897) v1@45.639,51.836 ; C3.2@44.7,52.525 cw(c44.7,51.921) 45.127,52.348 ; C3.2@44.7,68.725 cw(c44.7,67.397) v1@45.639,68.336 ; C3.2@44.7,69.025 cw(c44.7,68.421) 45.127,68.848 ; C3.2@44.806,2.769 cw(c45.062,2.513) 45.062,2.875 cw(c45.062,3.237) C3.2@44.806,2.981 ; C3.2@44.806,19.269 cw(c45.062,19.013) 45.062,19.375 cw(c45.062,19.737) C3.2@44.806,19.481 ; C3.2@44.806,35.769 cw(c45.062,35.513) 45.062,35.875 cw(c45.062,36.237) C3.2@44.806,35.981 ; C3.2@44.806,52.269 cw(c45.062,52.013) 45.062,52.375 cw(c45.062,52.737) C3.2@44.806,52.481 ; C3.2@44.806,68.769 cw(c45.062,68.513) 45.062,68.875 cw(c45.062,69.237) C3.2@44.806,68.981 ; 45.11,2.641 ccw(c45.334,3.028) v1@45.449,2.597 ; 45.11,19.141 ccw(c45.334,19.528) v1@45.449,19.097 ; 45.11,35.641 ccw(c45.334,36.028) v1@45.449,35.597 ; 45.11,52.141 ccw(c45.334,52.528) v1@45.449,52.097 ; 45.11,68.641 ccw(c45.334,69.028) v1@45.449,68.597 ; v1@45.572,2.526 ccw(c45.993,2.639) Y1.2@45.775,2.261 ; v1@45.572,19.026 ccw(c45.993,19.139) Y1.2@45.775,18.761 ; v1@45.572,35.526 ccw(c45.993,35.639) Y1.2@45.775,35.261 ; v1@45.572,52.026 ccw(c45.993,52.139) Y1.2@45.775,51.761 ; v1@45.572,68.526 ccw(c45.993,68.639) Y1.2@45.775,68.261 ; v1@45.631,2.344 ccw(c46.1,2.814) 46.1,2.15 ccw(c46.1,2.814) 46.569,2.344 ; v1@45.631,18.844 ccw(c46.1,19.314) 46.1,18.65 ccw(c46.1,19.314) 46.569,18.844 ; v1@45.631,35.344 ccw(c46.1,35.814) 46.1,35.15 ccw(c46.1,35.814) 46.569,35.344 ; v1@45.631,51.844 ccw(c46.1,52.314) 46.1,51.65 ccw(c46.1,52.314) 46.569,51.844 ; v1@45.631,68.344 ccw(c46.1,68.814) 46.1,68.15 ccw(c46.1,68.814) 46.569,68.344 ; Y1.2@45.812,2.163 cw(c45.598,1.95) Y1.2@45.9,1.95 ; Y1.2@45.812,18.663 cw(c45.598,18.45) Y1.2@45.9,18.45 ; Y1.2@45.812,35.163 